# Altium PCB PCB2.PcbDoc (part 1 of 2) (continued)
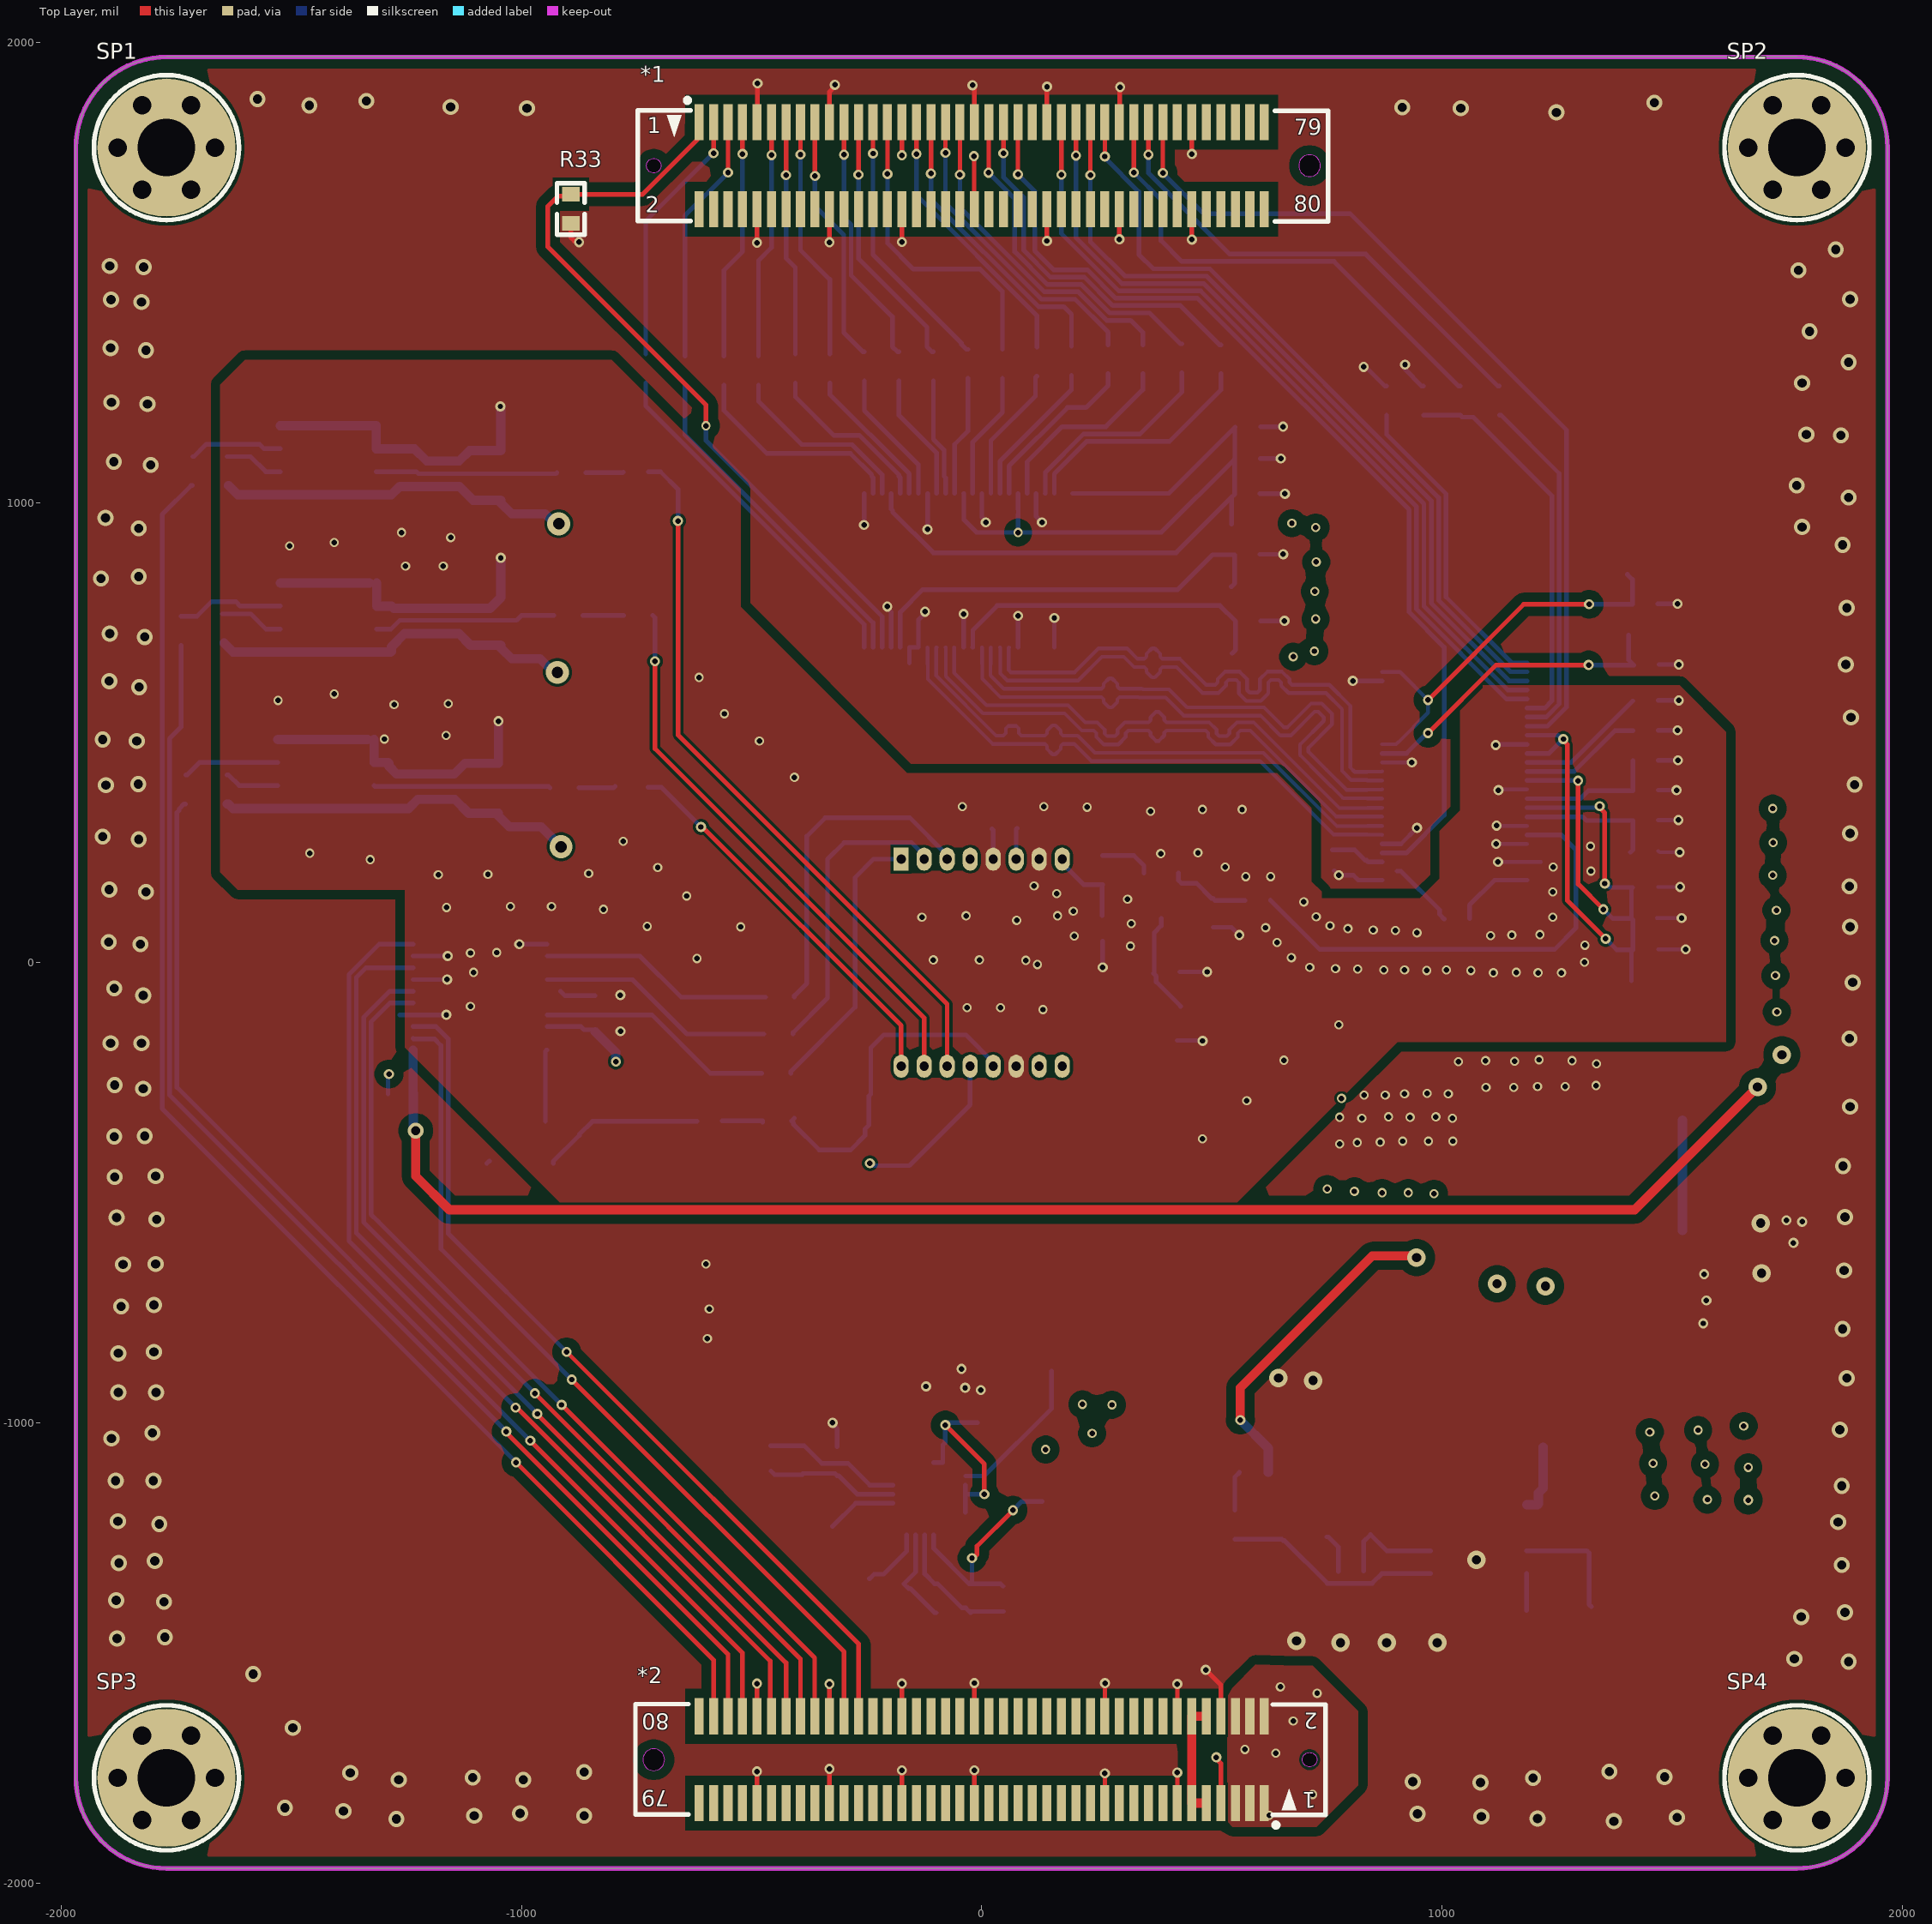
[diagram p0: Top Layer view]
## Footprints (in the part's own frame and the unit in brackets; to place one, negate y for a bottom-side part, rotate by r counter-clockwise, add the part's x,y. Pads: shape width x height; smd on the part's side, far side on the other; paste and mask are expansions set on the pad)
0603C [mil]
  rect 30x30 smd: 1(0.21,-0.35) 2(55.21,-1.35)
  silkscreen extent -26,-30 81,28, body extent -1,-15 62,16, height 12
0603L [mil] "小功率贴片电感"
  rect 35x35 smd: 1(0,0) 2(70,0)
  silkscreen extent -30,-25 100,25, body extent 4,-17 66,15, height 31
0603R [mm]
  rect 0.8x0.965 smd: 1(0,0) 2(1.6,0)
  silkscreen extent -0.64,-0.76 2.21,0.76, body extent -0.04,-0.41 1.56,0.41, height 0.45
BTB-08-80-G [mm] "BTB 公座，0.8mm间距"
  rect 0.5x2 smd mask+0.051: 1(15.6,-2.4) 2(15.6,2.4) 3(14.8,-2.4) 4(14.8,2.4) 5(14,-2.4) 6(14,2.4) 7(13.2,-2.4) 8(13.2,2.4) 9(12.4,-2.4) 10(12.4,2.4) 11(11.6,-2.4) 12(11.6,2.4) 13(10.8,-2.4) 14(10.8,2.4) 15(10,-2.4) 16(10,2.4) 17(9.2,-2.4) 18(9.2,2.4) 19(8.4,-2.4) 20(8.4,2.4) 21(7.6,-2.4) 22(7.6,2.4) 23(6.8,-2.4) 24(6.8,2.4) 25(6,-2.4) 26(6,2.4) 27(5.2,-2.4) 28(5.2,2.4) 29(4.4,-2.4) 30(4.4,2.4) 31(3.6,-2.4) 32(3.6,2.4) 33(2.8,-2.4) 34(2.8,2.4) 35(2,-2.4) 36(2,2.4) 37(1.2,-2.4) 38(1.2,2.4) 39(0.4,-2.4) 40(0.4,2.4) 41(-0.4,-2.4) 42(-0.4,2.4) 43(-1.2,-2.4) 44(-1.2,2.4) 45(-2,-2.4) 46(-2,2.4) 47(-2.8,-2.4) 48(-2.8,2.4) 49(-3.6,-2.4) 50(-3.6,2.4) 51(-4.4,-2.4) 52(-4.4,2.4) 53(-5.2,-2.4) 54(-5.2,2.4) 55(-6,-2.4) 56(-6,2.4) 57(-6.8,-2.4) 58(-6.8,2.4) 59(-7.6,-2.4) 60(-7.6,2.4) 61(-8.4,-2.4) 62(-8.4,2.4) 63(-9.2,-2.4) 64(-9.2,2.4) 65(-10,-2.4) 66(-10,2.4) 67(-10.8,-2.4) 68(-10.8,2.4) 69(-11.6,-2.4) 70(-11.6,2.4) 71(-12.4,-2.4) 72(-12.4,2.4) 73(-13.2,-2.4) 74(-13.2,2.4) 75(-14,-2.4) 76(-14,2.4) 77(-14.8,-2.4) 78(-14.8,2.4) 79(-15.6,-2.4) 80(-15.6,2.4)
  Keep-Out Layer board cut-out: -17.5,0 -17.546,0.23 -17.676,0.424 -17.87,0.554 -18.1,0.6 -18.1,0.6 -18.33,0.554 -18.524,0.424 -18.654,0.23 -18.7,0 -18.7,0 -18.654,-0.23 -18.524,-0.424 -18.33,-0.554 -18.1,-0.6 -18.1,-0.6 -17.87,-0.554 -17.676,-0.424 -17.546,-0.23 -17.5,0
  Keep-Out Layer board cut-out: 18.099,0.4 18.253,0.37 18.382,0.283 18.469,0.153 18.499,0 18.499,0 18.469,-0.153 18.382,-0.283 18.253,-0.37 18.099,-0.4 18.099,-0.4 17.946,-0.37 17.817,-0.283 17.73,-0.153 17.699,0 17.699,0 17.73,0.153 17.817,0.283 17.946,0.37 18.099,0.4
  silkscreen extent -19.11,-3.73 18.99,3.07
CCD424 [mil]
  rect 50x33 hole 20: 1(-225,175)
  oval 50x33 hole 20: 2(-225,125) 3(-225,75) 4(-225,25) 5(-225,-25) 6(-225,-75) 7(-225,-125) 8(-225,-175) 9(225,-175) 10(225,-125) 11(225,-75) 12(225,-25) 13(225,25) 14(225,75) 15(225,125) 16(225,175)
  silkscreen extent -163,-200 163,200
CXD3400N [mm] "SSOP20"
  rect 1.8x0.4 smd: 1(-3.7,2.925)
  oval 1.8x0.4 smd: 2(-3.7,2.275) 3(-3.7,1.625) 4(-3.7,0.975) 5(-3.7,0.325) 6(-3.7,-0.325) 7(-3.7,-0.975) 8(-3.7,-1.625) 9(-3.7,-2.275) 10(-3.7,-2.925) 11(3.7,-2.925) 12(3.7,-2.275) 13(3.7,-1.625) 14(3.7,-0.975) 15(3.7,-0.325) 16(3.7,0.325) 17(3.7,0.975) 18(3.7,1.625) 19(3.7,2.275) 20(3.7,2.925)
  silkscreen extent -3.83,-3.56 2.07,4.13, body extent -3.85,-3.6 3.85,3.6, height 1.65
L-SMD-0420 [mm] "一体化成型电感                联系卖家 免费查找封装"
  rect 1.5x2.5 smd: 1(-1.75,0) 2(1.75,0)
  silkscreen extent -2.16,-2.16 2.16,2.16, body extent -2.25,-2.05 2.25,2.05
L-SMD-0630 [mm] "一体化成型电感"
  rect 3x3.5 smd: 1(-3.175,0) 2(3.175,0)
  silkscreen extent -3.66,-3.48 3.66,3.48, body extent -3.47,-3.3 3.48,3.3
M3x5_N [mil] "M3铜柱，长：5mm"
  round 40 hole 40: 1(-106,0) 1(-53,-91.8) 1(-53,91.8) 1(53,-91.8) 1(53,91.8) 1(106,0)
  round 300 hole 125: 1(0,0)
  silkscreen extent -157,-157 157,157, body extent -106,-93 106,93, height 199
QFN-24_L4.0-W4.0-P0.50-TL-EP2.6 [mm]
  oval 0.8x0.28 smd mask+0.051: 1(-2,1.25) 2(-2,0.75) 3(-2,0.25) 4(-2,-0.25) 5(-2,-0.75) 6(-2,-1.25) 13(2,-1.25) 14(2,-0.75) 15(2,-0.25) 16(2,0.25) 17(2,0.75) 18(2,1.242)
  oval 0.28x0.8 smd mask+0.051: 7(-1.25,-2) 8(-0.75,-2) 9(-0.25,-2) 10(0.25,-2) 11(0.75,-2) 12(1.25,-2) 19(1.25,2) 20(0.75,2) 21(0.25,2) 22(-0.25,2) 23(-0.75,2) 24(-1.25,2)
  rect 2.7x2.7 smd mask+0.051: 25(0,-0.013)
  silkscreen extent -3.05,-2.16 2.15,2.14, body extent -2,-2 2,2, height 0.91
SMA/DO-214AC [mm] "塑封二极管"
  rect 2x3 smd: A(-0.127,0) K(4.953,0)
  silkscreen extent -1.63,-1.75 6.48,1.75, body extent 0.11,-1.35 4.71,1.35, height 2.4
SMD-EC6.3X6.3X10 [mm]
  rect 3.3x2.132 smd: 1(0.021,0) 2(4.921,0)
  silkscreen extent -0.88,-3.5 5.84,3.5, body extent -1.09,-3.3 5.91,3.3, height 5.4
SOD-123 [mm] "塑封二极管"
  rect 0.8x1 smd: A(-0.051,0) K(3.607,0)
  silkscreen extent 0.38,-0.85 3.18,0.85, body extent -0.12,-0.89 3.73,0.81, height 1.43
SOIC-8 [mm]
  oval 2.2x0.6 smd: 1(-2.654,1.905) 2(-2.654,0.635) 3(-2.654,-0.635) 4(-2.654,-1.905) 5(2.654,-1.905) 6(2.654,-0.635) 7(2.654,0.635) 8(2.654,1.905)
  silkscreen extent -2.06,-2.5 1.27,3.2, body extent -3,-2.5 3,2.5, height 1.9
SOT23 [mm]
  rect 0.6x1.4 smd: 1(0,0) 2(1.9,0) 3(0.95,2.514)
  silkscreen extent -0.55,1.02 2.45,1.97, body extent -0.56,0.22 2.44,2.62, height 1.05
SOT23-3 [mm]
  rect 0.6x1.4 smd: 1(0,0) 2(1.9,0) 3(0.95,2.514)
  silkscreen extent -0.55,1.07 2.45,1.97, body extent -0.59,-0.11 2.41,2.29, height 1.05
SOT223_L [mm] "6.4x7x1.6mm(长宽高)"
  rect 0.75x1.7 smd: 1(-2.3,-3.048) 2(0,-3.048) 3(2.3,-3.048)
  rect 3.1x1.7 smd: 2(0,3.048)
  silkscreen extent -3.5,-3.88 3.25,1.75, body extent -3.25,-3.51 3.25,3.51, height 1.65
TAJ-A/3216 [mm]
  rect 2x1.7 smd: 1(0.047,0) 2(2.794,0)
  silkscreen extent -1.4,-1.27 4.32,1.27, body extent -0.2,-0.8 3,0.8, height 1.6
TSSOP-48 [mm] "12.50×6.10×0.95 e=0.50 封装库来自淘宝卖家 ID：黄晶宝石"
  rect 2x0.279 smd: 1(0,0)
  oval 2x0.279 smd: 2(0,-0.5) 3(0,-1) 4(0,-1.5) 5(0,-2) 6(0,-2.5) 7(0,-3) 8(0,-3.5) 9(0,-4) 10(0,-4.5) 11(0,-5) 12(0,-5.5) 13(0,-6) 14(0,-6.52) 15(0,-7) 16(0,-7.5) 17(0,-8) 18(0,-8.5) 19(0,-9) 20(0,-9.5) 21(0,-10) 22(0,-10.5) 23(0,-11) 24(0,-11.5) 25(8.5,-11.5) 26(8.5,-11) 27(8.5,-10.5) 28(8.5,-10) 29(8.5,-9.5) 30(8.5,-9) 31(8.5,-8.5) 32(8.5,-8) 33(8.5,-7.5) 34(8.5,-7) 35(8.5,-6.5) 36(8.5,-6) 37(8.5,-5.5) 38(8.5,-5) 39(8.5,-4.5) 40(8.5,-4) 41(8.5,-3.5) 42(8.5,-3) 43(8.5,-2.5) 44(8.5,-2) 45(8.5,-1.5) 46(8.5,-1) 47(8.5,-0.5) 48(8.5,0)
  silkscreen extent 1.5,-12 7.08,0.5, body extent 0.09,-11.96 8.29,0.54, height 1.1
TSSOP-56 [mil]
  rect 70x10 smd: 1(0,0)
  oval 70x10 smd: 2(0,-19.68) 3(0,-39.37) 4(0,-59.05) 5(0,-78.74) 6(0,-98.43) 7(0,-118.11) 8(0,-137.8) 9(0,-157.48) 10(0,-177.16) 11(0,-196.85) 12(0,-216.53) 13(0,-236.22) 14(0,-255.9) 15(0,-275.59) 16(0,-295.27) 17(0,-314.96) 18(0,-334.64) 19(0,-354.33) 20(0,-374.01) 21(0,-393.7) 22(0,-413.38) 23(0,-433.07) 24(0,-452.76) 25(0,-472.44) 26(0,-492.12) 27(0,-511.81) 28(0,-531.49) 29(314.96,-531.49) 30(314.96,-511.81) 31(314.96,-492.13) 32(314.96,-472.44) 33(314.96,-452.76) 34(314.96,-433.07) 35(314.96,-413.38) 36(314.96,-393.7) 37(314.96,-374.01) 38(314.96,-354.33) 39(314.96,-334.64) 40(314.96,-314.96) 41(314.96,-295.27) 42(314.96,-275.59) 43(314.96,-255.9) 44(314.96,-236.22) 45(314.96,-216.53) 46(314.96,-196.85) 47(314.96,-177.16) 48(314.96,-157.48) 49(314.96,-137.8) 50(314.96,-118.11) 51(314.96,-98.43) 52(314.96,-78.74) 53(314.96,-59.05) 54(314.96,-39.37) 55(314.96,-19.68) 56(314.96,0)
  silkscreen extent 49,-551 266,20, body extent -5,-542 316,12, height 45

## Part data
1 C3 C4 C5 C6 C7 C8 C9 C10 C12 C13 C14 C15 C16 C17 C18 C19 C20 C21 C22 C23 C24 C25 C26 C27 C28 C29 C30 C31 C32 C33 C34 C35 C36 C37 C38 C39 C40 C41 C42 C43 C44 C45 C46 C47 C48 C49 C50 C51 C52 C53 C54 C55 C56: library part CAP, "无极性电容"
*3: "降压型DC-DC"
*5: "6通道垂直时钟驱动器"
C1 C2 C11: "无极性电容"
D1 D2 D4: "普通二极管"
D3: library part DIODE, "普通二极管"
EC1: library part ECAP, "贴片电解电容"
L1 L2: library part L, "小功率贴片电感"
L3: library part L, "INDUCTOR"
L4 L5 L6 L7 L8 L9 L10 L11: library part FB, "铁氧体磁珠", Current Rating=200mA, DC Resistance=450mΩ, Impedance @ Frequency=600Ω@100MHz, JLCPCB Part Class="Basic Part", LCSC Part Name="600Ω@100MHz ±25%", Manufacturer=Sunlord(顺络), Tolerance=±25%, Add into BOM=yes, Circuits=1, Convert to PCB=yes, Datasheet=https://atta.szlcsc.com/upload/public/pdf/source/20210830/355EA7C0FAC5394FC0FE3F17C770C20A.pdf, Device=GZ1608D601TF, Manufacturer Part=GZ1608D601TF, Name=GZ1608D601TF, Supplier=LCSC, Supplier Footprint=0603, Supplier Part=C1002, Symbol=GZ1608D601TF
Q1: "P沟道场效应管"
Q2: "NPN三极管"
R1 R2 R4 R6 R7 R8 R9 R10 R11 R12 R13 R14 R15 R16 R17 R18 R19 R20 R21 R22 R23 R24 R25 R26 R27 R28 R29 R30 R31 R32 R33 R34 R35 R36 R37 R38 R39 R40 R41 R42 R43 R44 R45 R46 R47 R48 R49 R50 R51 R52 R53 R54 R55 R56 R57: library part RES, "电阻"
R3 R5: "电阻"
SP1 SP2 SP3 SP4: library part 铜柱大焊盘, "铜柱", BOM名称=铜柱, 学习资源=https://shop463601444.taobao.com, 版权归属="封装库来自淘宝 ID：黄晶宝石"
TC1 TC2 TC3 TC4 TC5 TC6: library part TCAP, "钽电容"
U1: "具有正负（双路）输出的 1950mA 升压电流，用于 OLED 和 CCD 传感器", Current - Output="1.8A (Switch)", Frequency - Switching=1.38MHz, JLCPCB Part Class="Extended Part", Manufacturer=TI(德州仪器), Voltage - Input (Max)=5.5V, Voltage - Input (Min)=2.7V, Voltage - Output (Max)="15V, -15V", Voltage - Output (Min/Fixed)="3.2V, -2V", Add into BOM=yes, Convert to PCB=yes, Datasheet=https://atta.szlcsc.com/upload/public/pdf/source/20161123/1479873108320.pdf, Device=TPS65131RGER, Function="Step-Up, Step-Up/Step-Down", LCSC Part Name=TPS65131RGER, Manufacturer Part=TPS65131RGER, Name=TPS65131RGER, Number of Outputs=2, Output Configuration="Positive and Negative (Dual Rail)", Output Type=Adjustable, Supplier=LCSC, Supplier Footprint=QFN-24_4x4x05P, Supplier Part=C87663, Symbol=TPS65131RGER, Synchronous Rectifier=No, Topology="Boost, Buck-Boost"
U2: "解串芯片", JLCPCB Part Class="Extended Part", Manufacturer=TI(德州仪器), Add into BOM=yes, Convert to PCB=yes, Device=DS90CR218AMTDX/NOPB, LCSC Part Name=DS90CR218AMTDX/NOPB, Manufacturer Part=DS90CR218AMTDX/NOPB, Name=DS90CR218AMTDX/NOPB, Supplier=LCSC, Supplier Footprint=TSSOP-48, Supplier Part=C2674207, Symbol=DS90CR218AMTDX/NOPB
U3: "CCD专用ADC", JLCPCB Part Class="Extended Part", Manufacturer=TI(德州仪器), Add into BOM=yes, Convert to PCB=yes, Device=LM98725CCMTX/NOPB, LCSC Part Name=LM98725CCMTX/NOPB, Manufacturer Part=LM98725CCMTX/NOPB, Name=LM98725CCMTX/NOPB, Supplier=LCSC, Supplier Footprint=TSSOP-56, Supplier Part=C2679405, Symbol=LM98725CCMTX/NOPB
U4 U5 U6: library part EL7156CSZ-T7, "栅极驱动器", JLCPCB Part Class="Extended Part", Manufacturer=Intersil(英特矽尔), Add into BOM=yes, Convert to PCB=yes, Datasheet=https://atta.szlcsc.com/upload/public/pdf/source/20190409/C382008_2839965C4C72C039364B6D8C7260FFBC.pdf, Device=EL7156CSZ-T7_C382008, LCSC Part Name=EL7156CSZ-T7, Manufacturer Part=EL7156CSZ-T7, Name=EL7156CSZ-T7, Supplier=LCSC, Supplier Footprint=SOIC-8, Supplier Part=C382008, Symbol=EL7156CSZ-T7
V1: library part AMS1117, "LDO", BOM名称=稳压芯片, 封装库来自淘宝卖家：黄晶宝石=其他店铺购入的买家，请立即申请退款，本店现金奖励200~1000元

## Via types
v1: diameter 20, hole 12, Top Layer to Bottom Layer, 172 vias
v2: diameter 22, hole 12, Top Layer to Bottom Layer, 145 vias
v3: diameter 35, hole 20, Top Layer to Bottom Layer, 128 vias
v4: diameter 40, hole 20, Top Layer to Bottom Layer, 14 vias
v5: diameter 50, hole 25, Top Layer to Bottom Layer, 3 vias

## Nets (pads, with @x,y where several pads share a name; then routed paths per layer and width w, separated by ;. In a path a pad name is that pad's centre, name@x,y a point inside that pad or via, vN(x,y) a via of type N, cw(c..) or ccw(c..) an arc to the next point about the centre after c; other vN are vias at no path point)
3v3: *5.1 C7.2 C8.2 C52.2 L4.1 L5.1 L6.1 L7.1 L8.1 L10.1 V1.2 | length 3572.1
  Top Layer w20: v3(-1230,-365) -1230,-464 -1157,-537 1419,-537 v4(1686,-270)
  Bottom Layer w10: v3@-1235,-360 v3(-1230,-365)
  Bottom Layer w20: C52.2@-1235.67,-283.33 *5.1@-1235.67,-190.16 ; v3@-1235,-360 C52.2@-1235,-284 ; V1.2@1522.8,-582.46 V1.2@1522.8,-342.46
  other v1: 1728,-107 1725,-28 1723,48 1727,114 1719,190 1720,261 1719,335 677,665 723,677 726,747 724,807 727,871 726,946 674,955
  other v4: 1739,-200
15V: 1.2 *4.9 *4.10 *5.15 C2.2 C3.2 C45.2 C54.2 D1.K D4.A L11.2 R1.2 TC2.1 U1.23 | length 387.5
  Bottom Layer w10: D4.A@-1075,-436 D4.A@-1070,-431 ; *5.15@-915.22,-62.2 -906.07,-71.35 C54.2@-840.21,-71.35 ; C2.2@-459,-1050 R1.2@-389,-1050 -385.75,-1050 -347.5,-1088.25 -290.45,-1088.25 -243.22,-1135.47 U1.23@-192.73,-1135.47
+5: C5.2 C6.2 C9.2 C16.2 C47.1 C48.1 C50.1 C51.1 C55.1 C56.1 EC1.1 L3.2 Q1.3 R4.2 R6.2 R48.1 R52.1 R55.1 TC3.1 TC5.1 TC6.1 U1.6 U4.1 U4.8 U5.1 U5.8 U6.1 U6.8 V1.3 | length 3067.9
  Top Layer w20: v2(562,-994) 562,-924 848.83,-637.17 941.17,-637.17 v4(945,-641)
  Bottom Layer w10: R48.1@-1650,695 R48.1@-1646.75,695 ; R55.1@-1640,1037.01 R55.1@-1636.75,1037.01
  Bottom Layer w20: R48.1@-1646.75,695 -1626.75,675 U4.1@-1523.98,675 U4.8@-1315,675 -1284.48,675 -1282.81,676.67 -1282.81,686.36 -1254.17,715 C47.1@-1210,715 C48.1@-1136,715 -1111,690 TC3.1@-1045,690 -1045,684.09 -1021.54,660.63 -959.75,660.63 -930.12,631 v5(-922,631) ; R52.1@-1640,345 -1636.75,345 -1626.75,335 U5.1@-1529.49,335 U5.8@-1320.51,335 -1245.57,335 C51.1@-1225.35,355.21 -1225.25,355.11 -1145.11,355.11 C50.1@-1145,355 -1115,325 TC5.1@-1050,325 -1050,319.09 -1026.54,295.63 -957.63,295.63 v5(-914,252) ; R55.1@-1636.75,1037.01 -1616.75,1017.01 U6.1@-1524.49,1017.01 U6.8@-1315.51,1017.01 -1283.04,1017.01 -1265.04,1035 C56.1@-1205,1035 C55.1@-1135,1035 -1105,1005 TC6.1@-1045,1005 -1045,999.09 -1021.54,975.63 -948.75,975.63 -927.12,954 v5(-919,954) ; v2(562,-994) 622.99,-1054.99 R6.2@622.99,-1108
  other v1: 983,-502 870,-500 927,-500 810,-497 751,-492
  other v4: 1225,-703 1120,-698
+5IN: *2.9 *2.10 *2.11 *2.12 | length 252
  Top Layer w20: *2.9@488.19,-1826.77 *2.11@456.69,-1826.77 *2.12@456.69,-1637.8 *2.10@488.19,-1637.8
+12IN: *2.1 *2.2 *2.3 *2.4 *2.5 *2.6 *3.2 C17.2 C18.2 C19.2 R7.2
  other v1: 625,-1853 719,-1808 639,-1718 572,-1710 677,-1648 729,-1588 649,-1574 1577,-1167 1463,-1159 1666,-1097 1572,-1090 1459,-1088 1452,-1020 1557,-1016 1656,-1007
  other v2: 1666,-1168
-7V5: *4.13 *5.18 C11.1 C12.1 C53.2 D2.A R5.1 TC1.2 U1.15 | length 1033.9
  Top Layer w10: v2(-21,-1294) -17.86,-1294 -10,-1286.14 -10,-1268 v2(68,-1190)
  Bottom Layer w10: *5.18@-944.33,-138.98 -871.02,-138.98 -864.14,-145.86 -844.14,-145.86 C53.2@-840,-150 ; v2(-243,-436) -238,-441 TC1.2@-163.15,-441 -157.24,-441 -25,-308.76 *4.13@-25,-225 ; U1.15@-104.15,-1243.74 -104.15,-1273.09 -27.25,-1350 -21,-1343.75 v2(-21,-1294) ; R5.1@-24,-1350 41.14,-1350 C11.1@46.35,-1355.21 ; v2(68,-1190) 87,-1171 D2.A@131,-1171
  Bottom Layer w20: C53.2@-840,-150 -795.38,-194.62 -795.38,-214.62 v2(-795,-215)
  other v1: 139,-1058 240,-1023 283,-961 219,-960
ADC_CAL: *1.57 U3.5 | length 1667.5
  Top Layer w10: v2(267.72,1752.28) *1.57@267.72,1826.77
  Bottom Layer w10: v2(267.72,1752.28) 267.72,1749.17 341.82,1675.07 341.82,1539.18 372.82,1508.18 495.62,1508.18 993,1010.8 993,788.24 1149.08,632.17 U3.5@1184.96,632.17
ADC_IBIAS: C31.1 R38.2 U3.21 | length 304.5
  Bottom Layer w10: U3.21@1184.96,317.2 1305.88,317.2 1314.08,309 C31.1@1415,309 1415,245 R38.2@1410,240
ADC_INCLK: *1.45 U3.32 | length 2205.7
  Top Layer w10: v2(78.74,1713.26) *1.45@78.74,1826.77
  Bottom Layer w10: v2(78.74,1713.26) 115.2,1676.8 115.2,1547.19 156.39,1506 229.51,1506 291.33,1444.18 469.11,1444.18 929,984.29 929,761.73 1005,685.73 1005,320.89 922.58,238.46 U3.32@870,238.46
ADC_RST: *1.55 U3.6 | length 1734.2
  Top Layer w10: v2(236.22,1711.78) *1.55@236.22,1826.77
  Bottom Layer w10: v2(236.22,1711.78) 236.22,1567.17 311.21,1492.18 488.99,1492.18 977,1004.17 977,781.62 1146.14,612.48 U3.6@1184.96,612.48
ADC_SCLK: *1.63 R27.1 | length 1065
  Top Layer w10: v2(362.21,1756.21) *1.63@362.21,1826.77
  Bottom Layer w10: v2(362.21,1756.21) 362.21,1716.68 538.71,1540.18 834.56,1540.18 1121.75,1252.99 R27.1@1125,1252.99
ADC_SDI: *1.51 U3.8 | length 1803.1
  Top Layer w10: v2(173.23,1712.77) *1.51@173.23,1826.77
  Bottom Layer w10: v2(173.23,1712.77) 173.23,1584.91 297.96,1460.18 475.74,1460.18 945,990.92 945,768.36 1140.25,573.11 U3.8@1184.96,573.11
ADC_SDO: *1.61 R25.1 | length 1063.2
  Top Layer w10: v2(330.71,1717.29) *1.61@330.71,1826.77
  Bottom Layer w10: v2(330.71,1717.29) 389.71,1658.29 389.71,1569.29 434.82,1524.18 765.56,1524.18 1036.75,1252.99 R25.1@1040,1252.99
ADC_SEN: *1.65 U3.11 | length 1924.2
  Top Layer w10: v2(393.7,1716.3) *1.65@393.7,1826.77
  Bottom Layer w10: v2(393.7,1716.3) 482,1628 800.29,1628 1271,1157.29 1271,555.75 1229.31,514.06 U3.11@1184.96,514.06
ADC_SH_R: *1.53 U3.7 | length 1768.6
  Top Layer w10: v2(204.73,1754.27) *1.53@204.73,1826.77
  Bottom Layer w10: v2(204.73,1754.27) 204.73,1576.04 304.58,1476.18 482.37,1476.18 961,997.55 961,774.99 1143.19,592.8 U3.7@1184.96,592.8
ADC_VA: C35.2 C36.2 C37.2 L7.2 U3.12 U3.14 U3.17 U3.20 | length 1800.7
  Top Layer w10: v2(1264,486) 1264,483.14 1273,474.14 1273,135 v2(1356,52) ; v2(1296.15,395.46) 1296.15,170.85 v2(1351,116) ; v2(1343,340) 1343,336.75 1354,325.75 v2(1354,172)
  Bottom Layer w10: U3.20@1184.96,336.89 1336.64,336.89 1339.75,340 v2(1343,340) ; U3.17@1184.96,395.94 1295.67,395.94 v2(1296.15,395.46) ; U3.14@1184.96,455 1233,455 v2(1264,486) 1260.75,486 1252.38,494.37 U3.12@1184.96,494.37 ; v2(1351,116) 1371,96 C36.2@1412,96 ; v2(1354,172) 1357.25,172 1365.6,163.65 C37.2@1414.79,163.65 1412,160.86 C36.2@1412,96 ; v2(1356,52) 1380,28 C35.2@1415,28 ; L7.2@1412,-39 1412,25 C35.2@1415,28 ; C36.2@1412,96 1415,93 C35.2@1415,28
ADC_VC: C38.2 L8.2 U3.44 U3.52 | length 881.3
  Top Layer w10: v2(970,571) 1178,779 v2(1320,779)
  Bottom Layer w8: U3.44@870,474.69 900.54,474.69 905.23,479.37 906.21,479.37 970,543.16 v2(970,571) 909.22,631.78 870.38,631.78 U3.52@870,632.17
  Bottom Layer w10: v2(1320,779) C38.2@1414,779 1414,833 L8.2@1403,844
ADC_VCLP: C29.1 C30.1 U3.19 | length 302.3
  Bottom Layer w10: U3.19@1184.96,356.57 1301.27,356.57 1318.69,374 C29.1@1415,374 C30.1@1415,439
ADC_VD: C39.2 L10.2 U3.43 | length 696.1
  Top Layer w10: v2(970,499) 1118,647 v2(1319,647)
  Bottom Layer w10: U3.43@870,455 923.26,455 967.26,499 v2(970,499) ; v2(1319,647) C39.2@1417,647 1406,658 L10.2@1406,712
ADC_VREFB: C27.1 U3.15 | length 285.4
  Bottom Layer w10: U3.15@1184.96,435.31 1281.31,435.31 C27.1@1415,569
ADC_VREFT: C28.1 U3.16 | length 266.6
  Bottom Layer w10: U3.16@1184.96,415.63 1287.37,415.63 1375.74,504 C28.1@1415,504
AGND: 1.1 *4.5 *4.7 *4.11 *5.4 *5.7 *5.9 *5.11 C27.2 C28.2 C29.2 C30.2 C31.2 C35.1 C36.1 C37.1 C40.1 C41.2 C42.1 C43.2 C45.1 C47.2 C48.2 C50.2 C51.2 C52.1 C53.1 C54.1 C55.2 C56.2 L9.2 R38.1 R40.1 R41.1 R51.1 TC1.1 TC2.2 TC3.2 TC5.2 TC6.2 U3.13 U3.18 U3.22 U3.24 U3.26 U4.4 U4.5 U4.6 U5.4 U5.5 U5.6 U6.4 U6.5 U6.6 | length 3360.1
  Bottom Layer w8: v2(1118,258) 1118.15,258.15 U3.24@1184.96,258.15 ; v2(1119,298) 1119.48,297.52 U3.22@1184.96,297.52 ; v2(1122,219) 1122.22,218.78 U3.26@1184.96,218.78 U3.26@1215.5,218.78 ; v2(1123,375) 1124.26,376.26 U3.18@1184.96,376.26 U3.18@1184.58,375.88 ; C36.1@1467,97 v2(1521,97) ; C37.1@1469.79,164.65 v2(1517.65,164.65) ; C35.1@1470,29 v2(1530,29) ; R38.1@1470,242.99 R38.1@1472.99,240 v2(1517,240)
  Bottom Layer w10: U5.5@-1335,485 U5.5@-1320.51,485 ; U4.5@-1330,825 U4.5@-1315,825 ; C52.1@-1290,-285 -1290,-244 v2(-1288,-242) ; *5.4@-1264.33,-113.39 *5.4@-1235.67,-113.39 v2(-1163.39,-113.39) ; *5.7@-1235.67,-36.61 v2(-1161.61,-36.61) ; *5.9@-1235.67,14.57 v2(-1160.43,14.57) ; C51.2@-1226.35,410.21 C51.2@-1226.14,410 ; v2(-1004.84,40.16) *5.11@-944.33,40.16 ; C41.2@22,291 25,288 *4.5@25,225 ; v2(263,-10) C43.2@263,47 ; 1.1@425,-169 479,-169 v2(480,-170) ; C40.1@430,-20 v2(490,-20) ; R41.1@502.5,77.01 542.99,77.01 v2(560,60) ; v2(1117,473) 1118.69,474.69 U3.13@1184.96,474.69 ; C31.2@1470,310 v2(1514,310) ; C29.2@1470,375 v2(1510,375) ; C30.2@1470,440 v2(1513,440) ; C28.2@1470,505 v2(1512,505) ; C27.2@1470,570 v2(1515,570)
  Bottom Layer w20: U5.4@-1529.49,485 U5.5@-1335,485 ; U6.4@-1524.49,1167.01 U6.5@-1315.51,1167.01 U6.6@-1315.51,1117.01 -1233.01,1117.01 C56.2@-1206,1090 C55.2@-1136,1090 -1112.85,1113.15 TC6.2@-1045,1113.15 -1045,1207.46 -1046,1208.46 v2(-1046,1209) ; U4.4@-1523.98,825 U4.5@-1330,825 ; U5.5@-1320.51,485 U5.6@-1320.51,435 -1290,435 -1288.32,433.33 -1288.32,427.18 -1271.35,410.21 C51.2@-1226.35,410.21 ; U4.5@-1315,825 U4.6@-1315,775 -1282.52,775 -1277.52,770 C47.2@-1211,770 C48.2@-1137,770 -1068.46,770 -1045,793.46 TC3.2@-1045,798.15 v2(-1045,880) ; C51.2@-1226.14,410 -1226.04,410.11 -1146.11,410.11 C50.2@-1146,410 -1122.85,433.15 TC5.2@-1050,433.15 v2(-1050,525)
  other v1: 480,-383 576,-300 657,-212 776,-135 133,-102 -32,-98 41,-98 -1111,-95 1112,-22 1209,-22 1260,-22 -1104,-21 1162,-21 967,-17 1063,-17 874,-16 919,-16 1010,-16 817,-14 769,-13 713,-10 121,-4 1310,1 96,5 -105,6 -5,6 -619,9 673,11 -1111,21 -1054,22 323,36 1311,38 642,44 201,58 1106,59 1152,60 1213,61 946,65 899,70 851,71 796,74 617,76 -523.56,77.87 -727,79 757,80 325,85 76,92 -130,99 1241,99 727,100 -34,102 165,102 199,112 -822,116 -1163,120 -1024,122 -935,122 700,132 317,138 -641,145 163,150 1241,154 114,167 574,187 628,187 -1181,191 -1073,192 -854,194 1324,199 -704,207 529,208 1242,208 -1329,224 389,237 -1460,238 470,239 1323,253 -779,264 367,329 480,333 566,333 229,338 -42,339 135,339 -407,403 -483,482 -1298,486 -1164,494 -559,541 -1277,561 -1159,563 -1529,570 -1407,584 -614,620 -1252,862 -1170,862 -1504,906 -1407,913 -1154,924 -1261,935
  other v2: -785,-149 -785.21,-70.35
B13_IO0: *1.33 R31.2 | length 645.3
  Top Layer w10: v2(-110.24,1715.24) *1.33@-110.24,1826.77
  Bottom Layer w10: v2(-110.24,1715.24) -110.24,1659.49 123.25,1426 178,1426 195,1409 R31.2@195,1340
B13_L1_N: *2.17
B13_L1_P: *2.15
B13_L2_N: *2.21
B13_L2_P: *2.19
B13_L6_N: *2.27
B13_L6_P: *2.25
B13_L8_N: *1.36
B13_L8_P: *1.38
B13_L9_N: *1.32
B13_L9_P: *1.34
B13_L10_N: *1.28
B13_L10_P: *1.26
B13_L11_N: *1.24
B13_L11_P: *1.22
B13_L12_N: *1.18
B13_L12_P: *1.16
B13_L13_N: *1.14
B13_L13_P: *1.12
B13_L14_N: *1.7 R14.2 | length 525.5
  Top Layer w10: v2(-519.69,1757.69) *1.7@-519.69,1826.77
  Bottom Layer w10: R14.2@-560,1317.99 -560,1505 -519.69,1545.31 v2(-519.69,1757.69)
B13_L14_P: *1.5 R37.2 | length 547.6
  Top Layer w10: v2(-551.18,1717.18) *1.5@-551.18,1826.77
  Bottom Layer w10: R37.2@-645,1317.99 -645,1623.37 v2(-551.18,1717.18)
B13_L15_N: *1.8
B13_L15_P: *1.6
B13_L16_N: *1.4
B13_L16_P: *1.2
B13_L17_N: *1.64
B13_L17_P: *1.62
B14_IO0: *1.80
B14_IO25: *1.79
B14_L4_N: *1.43 R36.2 | length 810.4
  Top Layer w10: v2(47.24,1759.24) *1.43@47.24,1826.77
  Bottom Layer w10: v2(47.24,1759.24) 47.24,1707.38 91.46,1663.17 91.46,1548.31 149.76,1490 222.88,1490 284.7,1428.18 431.56,1428.18 516.75,1342.99 R36.2@520,1342.99
B14_L4_P: *1.41 R35.2 | length 751.5
  Top Layer w10: v2(15,1717) 15.37,1717.37 15.37,1826.4 *1.41@15.75,1826.77
  Bottom Layer w10: v2(15,1717) 72,1660 72,1545.14 143.14,1474 216.25,1474 278.07,1412.18 364.57,1412.18 431.75,1345 R35.2@435,1345
B14_L5_N: *1.52
B14_L5_P: *1.54
B14_L6_N: *1.31 R30.2 | length 597.2
  Top Layer w10: v2(-141.73,1757.73) *1.31@-141.73,1826.77
  Bottom Layer w10: v2(-141.73,1757.73) -141.73,1668.36 120,1406.63 R30.2@120,1337.99
B14_L7_N: *1.35 R32.2 | length 673.1
  Top Layer w10: v2(-78.74,1760.26) *1.35@-78.74,1826.77
  Bottom Layer w10: v2(-78.74,1760.26) -78.74,1650.62 129.88,1442 203,1442 275,1370 R32.2@275,1342.99
B14_L7_P: *1.37 R34.2 | length 721.8
  Top Layer w10: v2(-47.24,1712.76) *1.37@-47.24,1826.77
  Bottom Layer w10: v2(-47.24,1712.76) -47.24,1641.75 136.51,1458 209.63,1458 271.45,1396.18 323.82,1396.18 350,1370 R34.2@350,1342.99
B14_L8_N: *1.15 R19.2 | length 530.2
  Top Layer w10: v2(-393.7,1756.3) *1.15@-393.7,1826.77
  Bottom Layer w10: v2(-393.7,1756.3) -393.7,1548.7 -330,1485 R19.2@-330,1322.99
B14_L8_P: *1.17 R21.2 | length 545.1
  Top Layer w10: v2(-362.21,1709.79) *1.17@-362.21,1826.77
  Bottom Layer w10: v2(-362.21,1709.79) -362.21,1644.21 -299.72,1581.72 -299.72,1369.46 -258.25,1327.99 R21.2@-255,1327.99
B14_L9_N: *1.47
B14_L10_N: *1.13 R18.2 | length 512.1
  Top Layer w10: v2(-425.2,1711.8) *1.13@-425.2,1826.77
  Bottom Layer w10: v2(-425.2,1711.8) -425.2,1531.25 -405,1511.05 R18.2@-405,1322.99
B14_L10_P: *1.11 R15.2 | length 520.5
  Top Layer w10: v2(-456.69,1755.31) *1.11@-456.69,1826.77
  Bottom Layer w10: R15.2@-485,1317.99 -485,1526.25 -456.69,1554.55 v2(-456.69,1755.31)
B14_L11_N: *1.42
B14_L11_P: *1.44
B14_L14_N: *1.46
B14_L14_P: *1.48
B14_L15_N: *1.21 R22.2 | length 550.1
  Top Layer w10: v2(-299.21,1756.21) *1.21@-299.21,1826.77
  Bottom Layer w10: v2(-299.21,1756.21) -299.21,1619.21 -283.72,1603.72 -283.72,1493.72 -194,1404 -194,1338.74 -183.25,1327.99 R22.2@-180,1327.99
B14_L15_P: *1.23 R24.2 | length 568.1
  Top Layer w10: v2(-267.72,1712.72) *1.23@-267.72,1826.77
  Bottom Layer w10: v2(-267.72,1712.72) -267.72,1530.09 -119,1381.37 -119,1338.74 -108.25,1327.99 R24.2@-105,1327.99
B14_L16_N: *1.3 R13.2 | length 564.8
  Top Layer w10: v2(-582.68,1759.32) *1.3@-582.68,1826.77
  Bottom Layer w10: R13.2@-730,1322.99 -730,1612 v2(-582.68,1759.32)
B14_L16_P: *1.1 R33.2 U2.22 | length 1684
  Top Layer w10: *1.1@-614.18,1826.77 -619.03,1821.92 -619.03,1788.01 -737.03,1670 -889.75,1670 R33.2@-893,1670 -897.14,1665.86 -921.14,1665.86 -942.86,1644.14 -942.86,1555.86 -599,1212 v1(-599,1167)
  Bottom Layer w10: v1(-599,1167) -599,1134.88 -216.22,752.1 U2.22@-216.22,685.35
B14_L17_N: *1.27 R29.2 | length 682.2
  Top Layer w10: v2(-204.73,1714.27) *1.27@-204.73,1826.77
  Bottom Layer w10: v2(-204.73,1714.27) -204.73,1563.73 -148.34,1507.34 -3.34,1507.34 45,1459 R29.2@45,1332.99
B14_L17_P: *1.25 R26.2 | length 581.1
  Top Layer w10: v2(-236.22,1758.78) *1.25@-236.22,1826.77
  Bottom Layer w10: v2(-236.22,1758.78) -236.22,1539.21 -44,1346.99 -44,1343.74 -33.25,1332.99 R26.2@-30,1332.99
B14_L18_N: *1.56
B14_L18_P: *1.58
B14_L19_N: *1.71
B14_L19_P: *1.73
B14_L20_P: *1.67
B14_L21_N: *1.66
B14_L21_P: *1.68
B14_L22_N: *1.74
B14_L22_P: *1.72
B14_L23_N: *1.77
B14_L23_P: *1.75
B14_L24_N: *1.76
B14_L24_P: *1.78
B16_L1_N: *2.32
B16_L1_P: *2.30
B16_L2_N: *2.45
B16_L2_P: *2.43
B16_L3_N: *2.49
B16_L3_P: *2.47
B16_L4_N: *2.28
B16_L4_P: *2.26
B16_L5_N: *2.46
B16_L5_P: *2.44
B16_L6_N: *2.22
B16_L6_P: *2.20
B16_L7_N: *2.50
B16_L7_P: *2.48
B16_L8_N: *2.16
B16_L8_P: *2.18
B16_L9_N: *2.56
B16_L9_P: *2.54
B16_L10_N: *2.55
B16_L10_P: *2.53
B16_L11_N: *2.60 *5.2 | length 1887.7
  Top Layer w10: v2(-891,-906) -299.11,-1497.89 -299.11,-1637.69 *2.60@-299.21,-1637.8
  Bottom Layer w10: *5.2@-1235.67,-164.57 -1234.57,-165.67 -1189.33,-165.67 -1175,-180 -1175,-622 v2(-891,-906)
B16_L11_P: *2.58 *5.3 | length 1929.1
  Top Layer w10: v2(-902,-846) -267.36,-1480.64 -267.36,-1637.44 *2.58@-267.72,-1637.8
  Bottom Layer w10: *5.3@-1235.67,-138.98 -1186.02,-138.98 -1159,-166 -1159,-589 v2(-902,-846)
B16_L12_N: *2.59
B16_L12_P: *2.57
B16_L13_N: *2.66 *5.6 | length 2042.8
  Top Layer w10: v2(-971,-936) -393.7,-1513.3 *2.66@-393.7,-1637.8
  Bottom Layer w10: *5.6@-1235.67,-62.2 -1286.1,-62.2 -1343,-119.1 -1343,-564 v2(-971,-936)
B16_L13_P: *2.64 *5.5 | length 2017
  Top Layer w10: v2(-913,-961) -363.1,-1510.9 -363.1,-1636.9 *2.64@-362.21,-1637.8
  Bottom Layer w10: *5.5@-1235.67,-87.8 -1286.1,-87.8 -1327,-128.69 -1327,-547 -1312,-562 v2(-913,-961)
B16_L14_N: *2.65
B16_L14_P: *2.63
B16_L15_N: *2.70 *5.10 | length 2160.7
  Top Layer w10: v2(-1013,-967) -1010.36,-967 -459.46,-1517.91 -459.46,-1635.03 *2.70@-456.69,-1637.8
  Bottom Layer w10: *5.10@-1235.67,40.16 -1309.28,40.16 -1375,-25.56 -1375,-605 v2(-1013,-967)
B16_L15_P: *2.68 *5.8 | length 2124.5
  Top Layer w10: v2(-965.62,-980.62) -965.62,-981.38 -425.2,-1521.8 *2.68@-425.2,-1637.8
  Bottom Layer w10: *5.8@-1235.67,-11.02 -1337.84,-11.02 -1359,-32.19 -1359,-587.25 v2(-965.62,-980.62)
B16_L16_N: *2.69
B16_L16_P: *2.67
B16_L17_N: *2.76 R50.2 | length 2840.9
  Top Layer w10: v2(-1033,-1019) -1033,-1021.36 -551.18,-1503.18 *2.76@-551.18,-1637.8
  Bottom Layer w10: R50.2@-1740,690 -1740,511.97 -1765,486.97 -1765,-287 v2(-1033,-1019)
B16_L17_P: *2.74 R54.2 | length 2501.8
  Top Layer w10: v2(-981,-1039) -519.69,-1500.31 *2.74@-519.69,-1637.8
  Bottom Layer w10: R54.2@-1730,345 -1733.25,345 -1744,334.25 -1744,331 -1749,326 -1749,-271 v2(-981,-1039)
B16_L18_N: *2.75
B16_L18_P: *2.73
B16_L19_N: *2.80
B16_L19_P: *2.78 R57.2 | length 3200.4
  Top Layer w10: v2(-1012,-1086) -582.68,-1515.32 *2.78@-582.68,-1637.8
  Bottom Layer w10: R57.2@-1715,1037.01 -1718.25,1037.01 -1781,974.26 -1781,-317 v2(-1012,-1086)
B16_L20_N: *2.79
B16_L20_P: *2.77
B34_L18_N: *2.40
B34_L18_P: *2.38
B34_L19_N: *2.34
B34_L19_P: *2.36
B34_L20_N: *2.31
B34_L20_P: *2.29
B34_L21_N: *2.33
B34_L21_P: *2.35
B34_L22_N: *2.39
B34_L22_P: *2.37